# KiCad board LightRail_LPO_1.6T.kicad_pcb (continued)
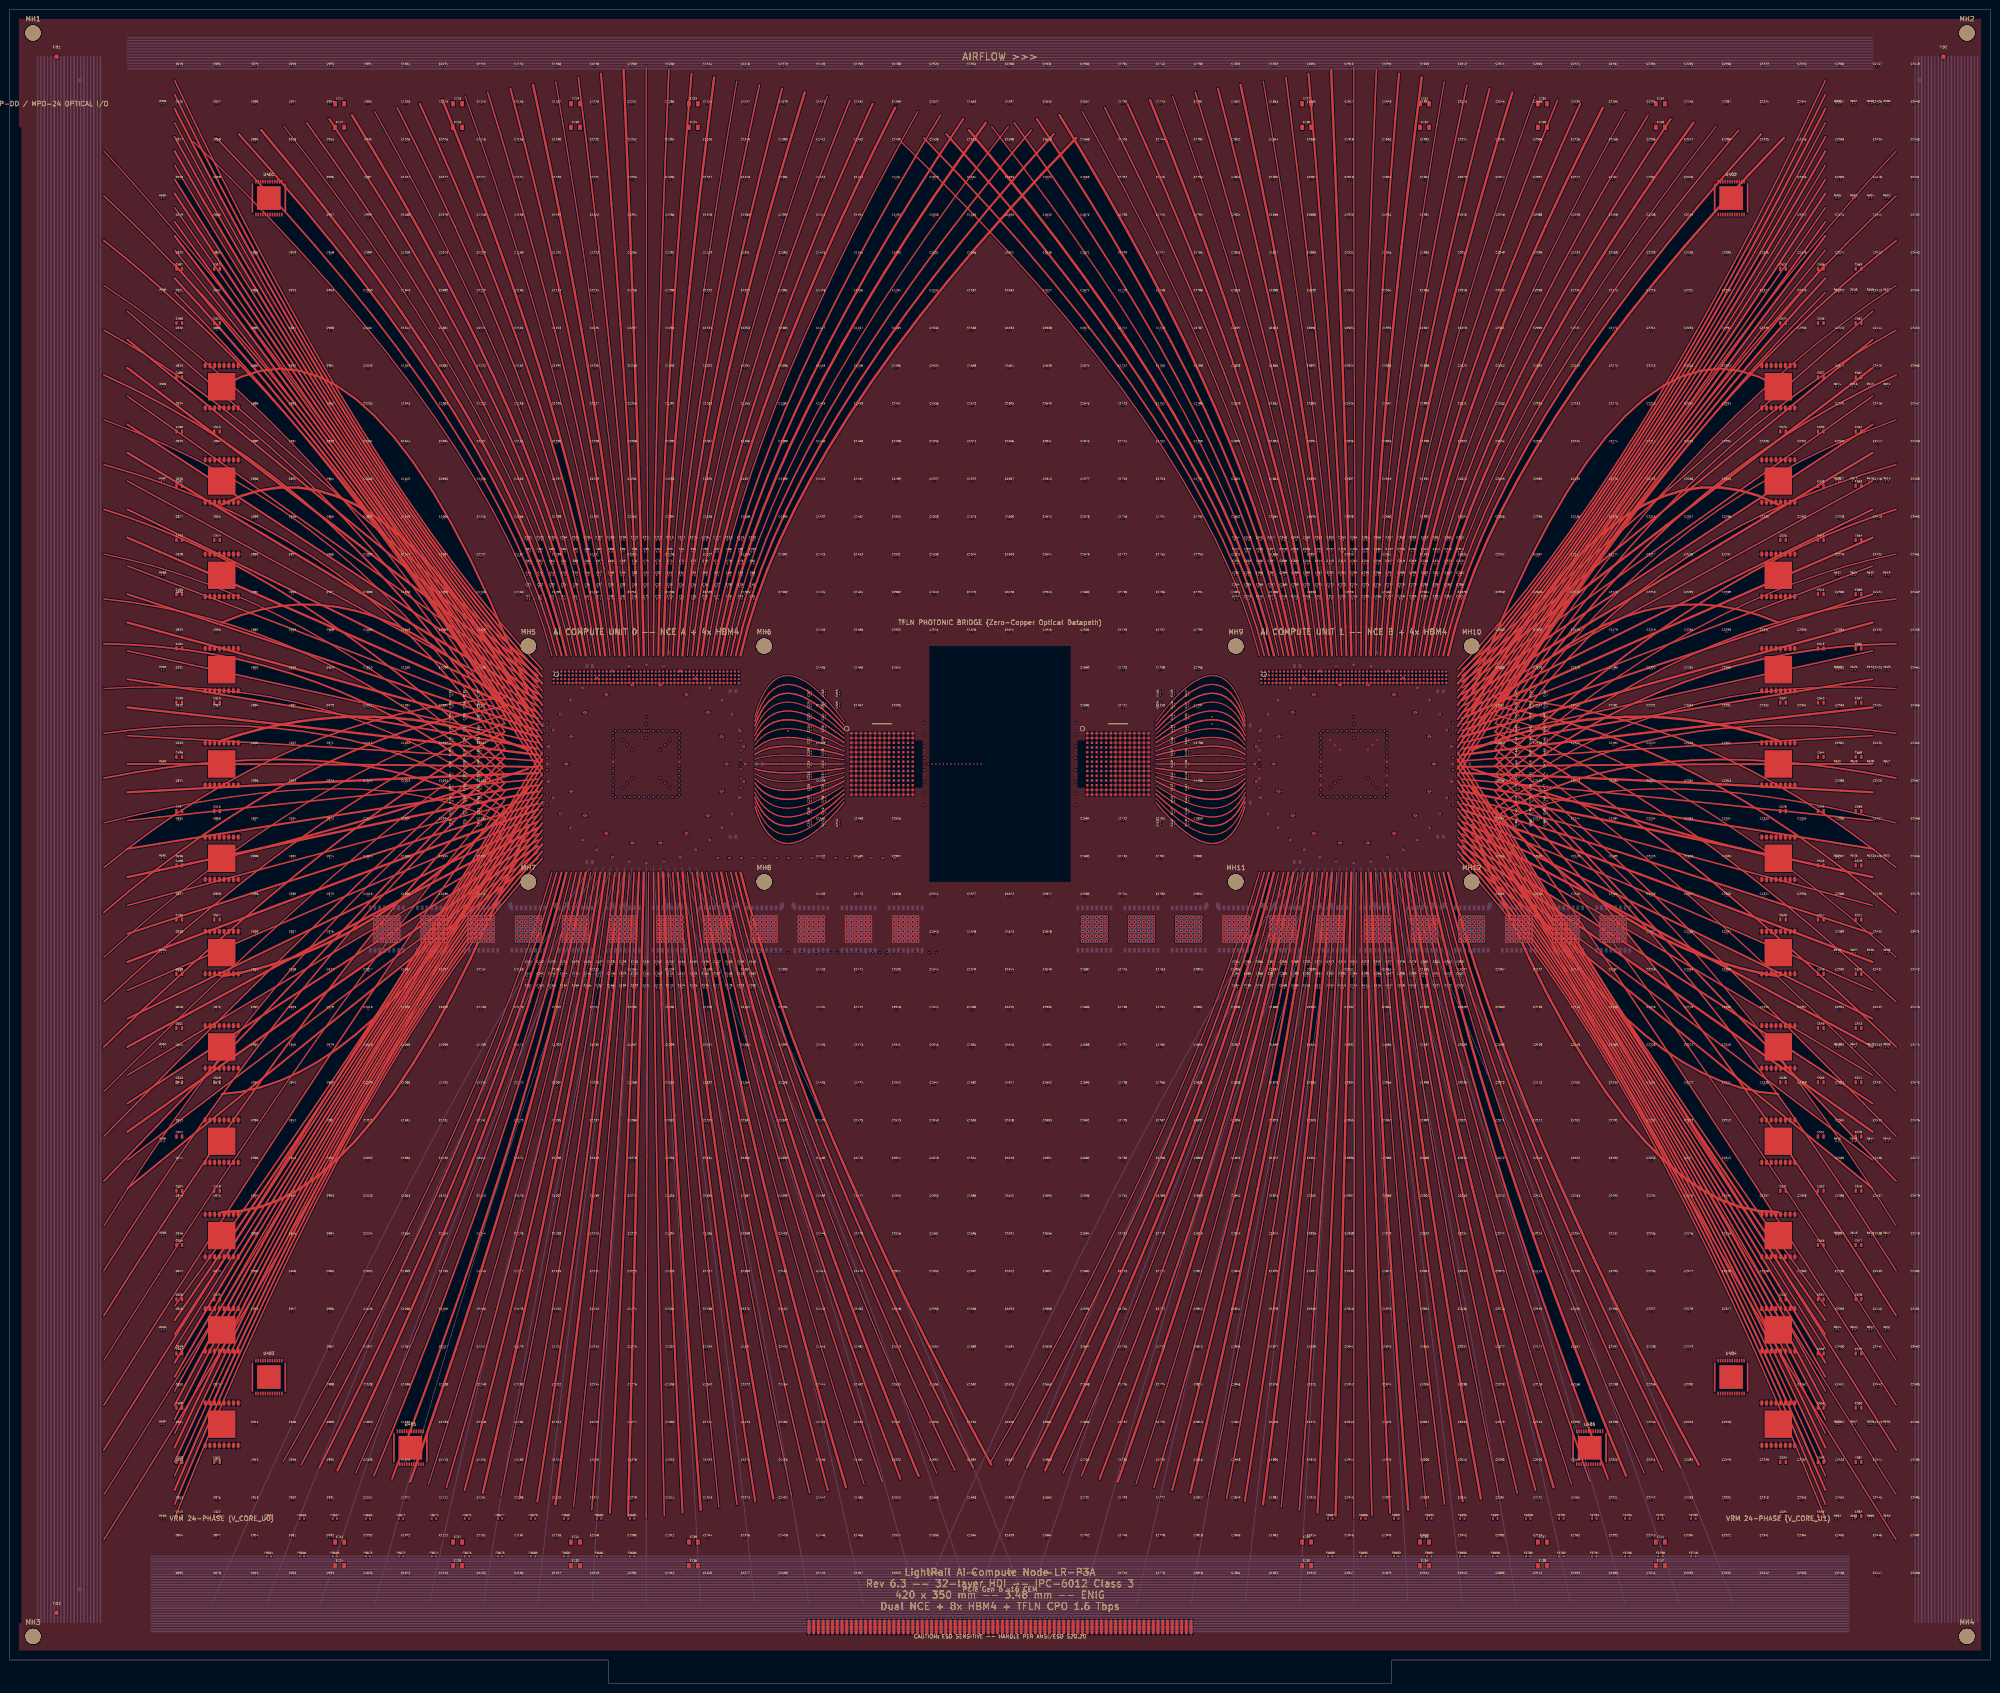
[diagram p0: board, top side]
## Routing (per net, layer and track width the routed paths; a pad name or vN(x,y) marks a point on that pad's centre or on a via; arc(x,y) is an arc through that point) (continued)
150.9,145.16 150.9,145.64 149.7,146.12 149.7,146.6 150.9,147.08 150.9,147.56 150.3,147.8 150.3,152.92 150.9,153.16 150.9,153.64 149.7,154.12 149.7,154.6 150.9,155.08 150.9,155.56 150.3,155.8 150.3,160.92 150.9,161.16 150.9,161.64 149.7,162.12 149.7,162.6 150.9,163.08 150.9,163.56 150.3,163.8 150.3,168.92 150.9,169.16 150.9,169.64 149.7,170.12 149.7,170.6 150.9,171.08 150.9,171.56 150.3,171.8 v1(150.3,175) ; v1(155.3,175) 155.3,171.8 156.2,171.56 156.2,171.08 154.4,170.6 154.4,170.12 156.2,169.64 156.2,169.16 155.3,168.92 155.3,163.8 156.2,163.56 156.2,163.08 154.4,162.6 154.4,162.12 156.2,161.64 156.2,161.16 155.3,160.92 155.3,155.8 156.2,155.56 156.2,155.08 154.4,154.6 154.4,154.12 156.2,153.64 156.2,153.16 155.3,152.92 155.3,147.8 156.2,147.56 156.2,147.08 154.4,146.6 154.4,146.12 156.2,145.64 156.2,145.16 155.3,144.92 155.3,139.8 156.2,139.56 156.2,139.08 154.4,138.6 154.4,138.12 156.2,137.64 156.2,137.16 155.3,136.92 155.3,131.8 156.2,131.56 156.2,131.08 154.4,130.6 154.4,130.12 156.2,129.64 156.2,129.16 155.3,128.92 155.3,123.8 156.2,123.56 156.2,123.08 154.4,122.6 154.4,122.12 156.2,121.64 156.2,121.16 155.3,120.92 155.3,115.8 156.2,115.56 156.2,115.08 154.4,114.6 154.4,114.12 156.2,113.64 156.2,113.16 155.3,112.92 155.3,107.8 156.2,107.56 156.2,107.08 154.4,106.6 154.4,106.12 156.2,105.64 156.2,105.16 155.3,104.92 155.3,99.8 156.2,99.56 156.2,99.08 154.4,98.6 154.4,98.12 156.2,97.64 156.2,97.16 155.3,96.92 155.3,91.8 156.2,91.56 156.2,91.08 154.4,90.6 154.4,90.12 156.2,89.64 156.2,89.16 155.3,88.92 155.3,83.8 156.2,83.56 156.2,83.08 154.4,82.6 154.4,82.12 156.2,81.64 156.2,81.16 155.3,80.92 155.3,75.8 156.2,75.56 156.2,75.08 154.4,74.6 154.4,74.12 156.2,73.64 156.2,73.16 155.3,72.92 155.3,67.8 156.2,67.56 156.2,67.08 154.4,66.6 154.4,66.12 156.2,65.64 156.2,65.16 155.3,64.92 155.3,59.8 156.2,59.56 156.2,59.08 154.4,58.6 154.4,58.12 156.2,57.64 156.2,57.16 155.3,56.92 155.3,51.8 156.2,51.56 156.2,51.08 154.4,50.6 154.4,50.12 156.2,49.64 156.2,49.16 155.3,48.92 155.3,43.8 156.2,43.56 156.2,43.08 154.4,42.6 154.4,42.12 156.2,41.64 156.2,41.16 155.3,40.92 155.3,35.8 156.2,35.56 156.2,35.08 154.4,34.6 154.4,34.12 156.2,33.64 156.2,33.16 155.3,32.92 155.3,27.8 156.2,27.56 156.2,27.08 154.4,26.6 154.4,26.12 156.2,25.64 156.2,25.16 155.3,24.92 155.3,15 ; 160,15 160,24.92 160.6,25.16 160.6,25.64 159.4,26.12 159.4,26.6 160.6,27.08 160.6,27.56 160,27.8 160,32.92 160.6,33.16 160.6,33.64 159.4,34.12 159.4,34.6 160.6,35.08 160.6,35.56 160,35.8 160,40.92 160.6,41.16 160.6,41.64 159.4,42.12 159.4,42.6 160.6,43.08 160.6,43.56 160,43.8 160,48.92 160.6,49.16 160.6,49.64 159.4,50.12 159.4,50.6 160.6,51.08 160.6,51.56 160,51.8 160,56.92 160.6,57.16 160.6,57.64 159.4,58.12 159.4,58.6 160.6,59.08 160.6,59.56 160,59.8 160,64.92 160.6,65.16 160.6,65.64 159.4,66.12 159.4,66.6 160.6,67.08 160.6,67.56 160,67.8 160,72.92 160.6,73.16 160.6,73.64 159.4,74.12 159.4,74.6 160.6,75.08 160.6,75.56 160,75.8 160,80.92 160.6,81.16 160.6,81.64 159.4,82.12 159.4,82.6 160.6,83.08 160.6,83.56 160,83.8 160,88.92 160.6,89.16 160.6,89.64 159.4,90.12 159.4,90.6 160.6,91.08 160.6,91.56 160,91.8 160,96.92 160.6,97.16 160.6,97.64 159.4,98.12 159.4,98.6 160.6,99.08 160.6,99.56 160,99.8 160,104.92 160.6,105.16 160.6,105.64 159.4,106.12 159.4,106.6 160.6,107.08 160.6,107.56 160,107.8 160,112.92 160.6,113.16 160.6,113.64 159.4,114.12 159.4,114.6 160.6,115.08 160.6,115.56 160,115.8 160,120.92 160.6,121.16 160.6,121.64 159.4,122.12 159.4,122.6 160.6,123.08 160.6,123.56 160,123.8 160,128.92 160.6,129.16 160.6,129.64 159.4,130.12 159.4,130.6 160.6,131.08 160.6,131.56 160,131.8 160,136.92 160.6,137.16 160.6,137.64 159.4,138.12 159.4,138.6 160.6,139.08 160.6,139.56 160,139.8 160,144.92 160.6,145.16 160.6,145.64 159.4,146.12 159.4,146.6 160.6,147.08 160.6,147.56 160,147.8 160,152.92 160.6,153.16 160.6,153.64 159.4,154.12 159.4,154.6 160.6,155.08 160.6,155.56 160,155.8 160,160.92 160.6,161.16 160.6,161.64 159.4,162.12 159.4,162.6 160.6,163.08 160.6,163.56 160,163.8 160,168.92 160.6,169.16 160.6,169.64 159.4,170.12 159.4,170.6 160.6,171.08 160.6,171.56 160,171.8 v1(160,175) ; 182.8,15 182.8,24.92 183.55,25.16 183.55,25.64 182.05,26.12 182.05,26.6 183.55,27.08 183.55,27.56 182.8,27.8 182.8,32.92 183.55,33.16 183.55,33.64 182.05,34.12 182.05,34.6 183.55,35.08 183.55,35.56 182.8,35.8 182.8,40.92 183.55,41.16 183.55,41.64 182.05,42.12 182.05,42.6 183.55,43.08 183.55,43.56 182.8,43.8 182.8,48.92 183.55,49.16 183.55,49.64 182.05,50.12 182.05,50.6 183.55,51.08 183.55,51.56 182.8,51.8 182.8,56.92 183.55,57.16 183.55,57.64 182.05,58.12 182.05,58.6 183.55,59.08 183.55,59.56 182.8,59.8 182.8,64.92 183.55,65.16 183.55,65.64 182.05,66.12 182.05,66.6 183.55,67.08 183.55,67.56 182.8,67.8 182.8,72.92 183.55,73.16 183.55,73.64 182.05,74.12 182.05,74.6 183.55,75.08 183.55,75.56 182.8,75.8 182.8,80.92 183.55,81.16 183.55,81.64 182.05,82.12 182.05,82.6 183.55,83.08 183.55,83.56 182.8,83.8 182.8,88.92 183.55,89.16 183.55,89.64 182.05,90.12 182.05,90.6 183.55,91.08 183.55,91.56 182.8,91.8 182.8,96.92 183.55,97.16 183.55,97.64 182.05,98.12 182.05,98.6 183.55,99.08 183.55,99.56 182.8,99.8 182.8,104.92 183.55,105.16 183.55,105.64 182.05,106.12 182.05,106.6 183.55,107.08 183.55,107.56 182.8,107.8 182.8,112.92 183.55,113.16 183.55,113.64 182.05,114.12 182.05,114.6 183.55,115.08 183.55,115.56 182.8,115.8 182.8,120.92 183.55,121.16 183.55,121.64 182.05,122.12 182.05,122.6 183.55,123.08 183.55,123.56 182.8,123.8 182.8,128.92 183.55,129.16 183.55,129.64 182.05,130.12 182.05,130.6 183.55,131.08 183.55,131.56 182.8,131.8 182.8,136.92 183.55,137.16 183.55,137.64 182.05,138.12 182.05,138.6 183.55,139.08 183.55,139.56 182.8,139.8 182.8,144.92 183.55,145.16 183.55,145.64 182.05,146.12 182.05,146.6 183.55,147.08 183.55,147.56 182.8,147.8 182.8,152.92 183.55,153.16 183.55,153.64 182.05,154.12 182.05,154.6 183.55,155.08 183.55,155.56 182.8,155.8 182.8,160.92 183.55,161.16 183.55,161.64 182.05,162.12 182.05,162.6 183.55,163.08 183.55,163.56 182.8,163.8 182.8,168.92 183.55,169.16 183.55,169.64 182.05,170.12 182.05,170.6 183.55,171.08 183.55,171.56 182.8,171.8 v1(182.8,175) ; 177.8,15 177.8,24.92 178.85,25.16 178.85,25.64 176.75,26.12 176.75,26.6 178.85,27.08 178.85,27.56 177.8,27.8 177.8,32.92 178.85,33.16 178.85,33.64 176.75,34.12 176.75,34.6 178.85,35.08 178.85,35.56 177.8,35.8 177.8,40.92 178.85,41.16 178.85,41.64 176.75,42.12 176.75,42.6 178.85,43.08 178.85,43.56 177.8,43.8 177.8,48.92 178.85,49.16 178.85,49.64 176.75,50.12 176.75,50.6 178.85,51.08 178.85,51.56 177.8,51.8 177.8,56.92 178.85,57.16 178.85,57.64 176.75,58.12 176.75,58.6 178.85,59.08 178.85,59.56 177.8,59.8 177.8,64.92 178.85,65.16 178.85,65.64 176.75,66.12 176.75,66.6 178.85,67.08 178.85,67.56 177.8,67.8 177.8,72.92 178.85,73.16 178.85,73.64 176.75,74.12 176.75,74.6 178.85,75.08 178.85,75.56 177.8,75.8 177.8,80.92 178.85,81.16 178.85,81.64 176.75,82.12 176.75,82.6 178.85,83.08 178.85,83.56 177.8,83.8 177.8,88.92 178.85,89.16 178.85,89.64 176.75,90.12 176.75,90.6 178.85,91.08 178.85,91.56 177.8,91.8 177.8,96.92 178.85,97.16 178.85,97.64 176.75,98.12 176.75,98.6 178.85,99.08 178.85,99.56 177.8,99.8 177.8,104.92 178.85,105.16 178.85,105.64 176.75,106.12 176.75,106.6 178.85,107.08 178.85,107.56 177.8,107.8 177.8,112.92 178.85,113.16 178.85,113.64 176.75,114.12 176.75,114.6 178.85,115.08 178.85,115.56 177.8,115.8 177.8,120.92 178.85,121.16 178.85,121.64 176.75,122.12 176.75,122.6 178.85,123.08 178.85,123.56 177.8,123.8 177.8,128.92 178.85,129.16 178.85,129.64 176.75,130.12 176.75,130.6 178.85,131.08 178.85,131.56 177.8,131.8 177.8,136.92 178.85,137.16 178.85,137.64 176.75,138.12 176.75,138.6 178.85,139.08 178.85,139.56 177.8,139.8 177.8,144.92 178.85,145.16 178.85,145.64 176.75,146.12 176.75,146.6 178.85,147.08 178.85,147.56 177.8,147.8 177.8,152.92 178.85,153.16 178.85,153.64 176.75,154.12 176.75,154.6 178.85,155.08 178.85,155.56 177.8,155.8 177.8,160.92 178.85,161.16 178.85,161.64 176.75,162.12 176.75,162.6 178.85,163.08 178.85,163.56 177.8,163.8 177.8,168.92 178.85,169.16 178.85,169.64 176.75,170.12 176.75,170.6 178.85,171.08 178.85,171.56 177.8,171.8 v1(177.8,175) ; v1(150,175) 150,171.8 150.6,171.56 150.6,171.08 149.4,170.6 149.4,170.12 150.6,169.64 150.6,169.16 150,168.92 150,163.8 150.6,163.56 150.6,163.08 149.4,162.6 149.4,162.12 150.6,161.64 150.6,161.16 150,160.92 150,155.8 150.6,155.56 150.6,155.08 149.4,154.6 149.4,154.12 150.6,153.64 150.6,153.16 150,152.92 150,147.8 150.6,147.56 150.6,147.08 149.4,146.6 149.4,146.12 150.6,145.64 150.6,145.16 150,144.92 150,139.8 150.6,139.56 150.6,139.08 149.4,138.6 149.4,138.12 150.6,137.64 150.6,137.16 150,136.92 150,131.8 150.6,131.56 150.6,131.08 149.4,130.6 149.4,130.12 150.6,129.64 150.6,129.16 150,128.92 150,123.8 150.6,123.56 150.6,123.08 149.4,122.6 149.4,122.12 150.6,121.64 150.6,121.16 150,120.92 150,115.8 150.6,115.56 150.6,115.08 149.4,114.6 149.4,114.12 150.6,113.64 150.6,113.16 150,112.92 150,107.8 150.6,107.56 150.6,107.08 149.4,106.6 149.4,106.12 150.6,105.64 150.6,105.16 150,104.92 150,99.8 150.6,99.56 150.6,99.08 149.4,98.6 149.4,98.12 150.6,97.64 150.6,97.16 150,96.92 150,91.8 150.6,91.56 150.6,91.08 149.4,90.6 149.4,90.12 150.6,89.64 150.6,89.16 150,88.92 150,83.8 150.6,83.56 150.6,83.08 149.4,82.6 149.4,82.12 150.6,81.64 150.6,81.16 150,80.92 150,75.8 150.6,75.56 150.6,75.08 149.4,74.6 149.4,74.12 150.6,73.64 150.6,73.16 150,72.92 150,67.8 150.6,67.56 150.6,67.08 149.4,66.6 149.4,66.12 150.6,65.64 150.6,65.16 150,64.92 150,59.8 150.6,59.56 150.6,59.08 149.4,58.6 149.4,58.12 150.6,57.64 150.6,57.16 150,56.92 150,51.8 150.6,51.56 150.6,51.08 149.4,50.6 149.4,50.12 150.6,49.64 150.6,49.16 150,48.92 150,43.8 150.6,43.56 150.6,43.08 149.4,42.6 149.4,42.12 150.6,41.64 150.6,41.16 150,40.92 150,35.8 150.6,35.56 150.6,35.08 149.4,34.6 149.4,34.12 150.6,33.64 150.6,33.16 150,32.92 150,27.8 150.6,27.56 150.6,27.08 149.4,26.6 149.4,26.12 150.6,25.64 150.6,25.16 150,24.92 150,15 ; v1(165.3,175) 165.3,171.8 166.2,171.56 166.2,171.08 164.4,170.6 164.4,170.12 166.2,169.64 166.2,169.16 165.3,168.92 165.3,163.8 166.2,163.56 166.2,163.08 164.4,162.6 164.4,162.12 166.2,161.64 166.2,161.16 165.3,160.92 165.3,155.8 166.2,155.56 166.2,155.08 164.4,154.6 164.4,154.12 166.2,153.64 166.2,153.16 165.3,152.92 165.3,147.8 166.2,147.56 166.2,147.08 164.4,146.6 164.4,146.12 166.2,145.64 166.2,145.16 165.3,144.92 165.3,139.8 166.2,139.56 166.2,139.08 164.4,138.6 164.4,138.12 166.2,137.64 166.2,137.16 165.3,136.92 165.3,131.8 166.2,131.56 166.2,131.08 164.4,130.6 164.4,130.12 166.2,129.64 166.2,129.16 165.3,128.92 165.3,123.8 166.2,123.56 166.2,123.08 164.4,122.6 164.4,122.12 166.2,121.64 166.2,121.16 165.3,120.92 165.3,115.8 166.2,115.56 166.2,115.08 164.4,114.6 164.4,114.12 166.2,113.64 166.2,113.16 165.3,112.92 165.3,107.8 166.2,107.56 166.2,107.08 164.4,106.6 164.4,106.12 166.2,105.64 166.2,105.16 165.3,104.92 165.3,99.8 166.2,99.56 166.2,99.08 164.4,98.6 164.4,98.12 166.2,97.64 166.2,97.16 165.3,96.92 165.3,91.8 166.2,91.56 166.2,91.08 164.4,90.6 164.4,90.12 166.2,89.64 166.2,89.16 165.3,88.92 165.3,83.8 166.2,83.56 166.2,83.08 164.4,82.6 164.4,82.12 166.2,81.64 166.2,81.16 165.3,80.92 165.3,75.8 166.2,75.56 166.2,75.08 164.4,74.6 164.4,74.12 166.2,73.64 166.2,73.16 165.3,72.92 165.3,67.8 166.2,67.56 166.2,67.08 164.4,66.6 164.4,66.12 166.2,65.64 166.2,65.16 165.3,64.92 165.3,59.8 166.2,59.56 166.2,59.08 164.4,58.6 164.4,58.12 166.2,57.64 166.2,57.16 165.3,56.92 165.3,51.8 166.2,51.56 166.2,51.08 164.4,50.6 164.4,50.12 166.2,49.64 166.2,49.16 165.3,48.92 165.3,43.8 166.2,43.56 166.2,43.08 164.4,42.6 164.4,42.12 166.2,41.64 166.2,41.16 165.3,40.92 165.3,35.8 166.2,35.56 166.2,35.08 164.4,34.6 164.4,34.12 166.2,33.64 166.2,33.16 165.3,32.92 165.3,27.8 166.2,27.56 166.2,27.08 164.4,26.6 164.4,26.12 166.2,25.64 166.2,25.16 165.3,24.92 165.3,15 ; 180.3,15 180.3,24.92 180.9,25.16 180.9,25.64 179.7,26.12 179.7,26.6 180.9,27.08 180.9,27.56 180.3,27.8 180.3,32.92 180.9,33.16 180.9,33.64 179.7,34.12 179.7,34.6 180.9,35.08 180.9,35.56 180.3,35.8 180.3,40.92 180.9,41.16 180.9,41.64 179.7,42.12 179.7,42.6 180.9,43.08 180.9,43.56 180.3,43.8 180.3,48.92 180.9,49.16 180.9,49.64 179.7,50.12 179.7,50.6 180.9,51.08 180.9,51.56 180.3,51.8 180.3,56.92 180.9,57.16 180.9,57.64 179.7,58.12 179.7,58.6 180.9,59.08 180.9,59.56 180.3,59.8 180.3,64.92 180.9,65.16 180.9,65.64 179.7,66.12 179.7,66.6 180.9,67.08 180.9,67.56 180.3,67.8 180.3,72.92 180.9,73.16 180.9,73.64 179.7,74.12 179.7,74.6 180.9,75.08 180.9,75.56 180.3,75.8 180.3,80.92 180.9,81.16 180.9,81.64 179.7,82.12 179.7,82.6 180.9,83.08 180.9,83.56 180.3,83.8 180.3,88.92 180.9,89.16 180.9,89.64 179.7,90.12 179.7,90.6 180.9,91.08 180.9,91.56 180.3,91.8 180.3,96.92 180.9,97.16 180.9,97.64 179.7,98.12 179.7,98.6 180.9,99.08 180.9,99.56 180.3,99.8 180.3,104.92 180.9,105.16 180.9,105.64 179.7,106.12 179.7,106.6 180.9,107.08 180.9,107.56 180.3,107.8 180.3,112.92 180.9,113.16 180.9,113.64 179.7,114.12 179.7,114.6 180.9,115.08 180.9,115.56 180.3,115.8 180.3,120.92 180.9,121.16 180.9,121.64 179.7,122.12 179.7,122.6 180.9,123.08 180.9,123.56 180.3,123.8 180.3,128.92 180.9,129.16 180.9,129.64 179.7,130.12 179.7,130.6 180.9,131.08 180.9,131.56 180.3,131.8 180.3,136.92 180.9,137.16 180.9,137.64 179.7,138.12 179.7,138.6 180.9,139.08 180.9,139.56 180.3,139.8 180.3,144.92 180.9,145.16 180.9,145.64 179.7,146.12 179.7,146.6 180.9,147.08 180.9,147.56 180.3,147.8 180.3,152.92 180.9,153.16 180.9,153.64 179.7,154.12 179.7,154.6 180.9,155.08 180.9,155.56 180.3,155.8 180.3,160.92 180.9,161.16 180.9,161.64 179.7,162.12 179.7,162.6 180.9,163.08 180.9,163.56 180.3,163.8 180.3,168.92 180.9,169.16 180.9,169.64 179.7,170.12 179.7,170.6 180.9,171.08 180.9,171.56 180.3,171.8 v1(180.3,175) ; 172.8,15 172.8,24.92 173.55,25.16 173.55,25.64 172.05,26.12 172.05,26.6 173.55,27.08 173.55,27.56 172.8,27.8 172.8,32.92 173.55,33.16 173.55,33.64 172.05,34.12 172.05,34.6 173.55,35.08 173.55,35.56 172.8,35.8 172.8,40.92 173.55,41.16 173.55,41.64 172.05,42.12 172.05,42.6 173.55,43.08 173.55,43.56 172.8,43.8 172.8,48.92 173.55,49.16 173.55,49.64 172.05,50.12 172.05,50.6 173.55,51.08 173.55,51.56 172.8,51.8 172.8,56.92 173.55,57.16 173.55,57.64 172.05,58.12 172.05,58.6 173.55,59.08 173.55,59.56 172.8,59.8 172.8,64.92 173.55,65.16 173.55,65.64 172.05,66.12 172.05,66.6 173.55,67.08 173.55,67.56 172.8,67.8 172.8,72.92 173.55,73.16 173.55,73.64 172.05,74.12 172.05,74.6 173.55,75.08 173.55,75.56 172.8,75.8 172.8,80.92 173.55,81.16 173.55,81.64 172.05,82.12 172.05,82.6 173.55,83.08 173.55,83.56 172.8,83.8 172.8,88.92 173.55,89.16 173.55,89.64 172.05,90.12 172.05,90.6 173.55,91.08 173.55,91.56 172.8,91.8 172.8,96.92 173.55,97.16 173.55,97.64 172.05,98.12 172.05,98.6 173.55,99.08 173.55,99.56 172.8,99.8 172.8,104.92 173.55,105.16 173.55,105.64 172.05,106.12 172.05,106.6 173.55,107.08 173.55,107.56 172.8,107.8 172.8,112.92 173.55,113.16 173.55,113.64 172.05,114.12 172.05,114.6 173.55,115.08 173.55,115.56 172.8,115.8 172.8,120.92 173.55,121.16 173.55,121.64 172.05,122.12 172.05,122.6 173.55,123.08 173.55,123.56 172.8,123.8 172.8,128.92 173.55,129.16 173.55,129.64 172.05,130.12 172.05,130.6 173.55,131.08 173.55,131.56 172.8,131.8 172.8,136.92 173.55,137.16 173.55,137.64 172.05,138.12 172.05,138.6 173.55,139.08 173.55,139.56 172.8,139.8 172.8,144.92 173.55,145.16 173.55,145.64 172.05,146.12 172.05,146.6 173.55,147.08 173.55,147.56 172.8,147.8 172.8,152.92 173.55,153.16 173.55,153.64 172.05,154.12 172.05,154.6 173.55,155.08 173.55,155.56 172.8,155.8 172.8,160.92 173.55,161.16 173.55,161.64 172.05,162.12 172.05,162.6 173.55,163.08 173.55,163.56 172.8,163.8 172.8,168.92 173.55,169.16 173.55,169.64 172.05,170.12 172.05,170.6 173.55,171.08 173.55,171.56 172.8,171.8 v1(172.8,175) ; v1(167.5,175) 167.5,171.8 168.55,171.56 168.55,171.08 166.45,170.6 166.45,170.12 168.55,169.64 168.55,169.16 167.5,168.92 167.5,163.8 168.55,163.56 168.55,163.08 166.45,162.6 166.45,162.12 168.55,161.64 168.55,161.16 167.5,160.92 167.5,155.8 168.55,155.56 168.55,155.08 166.45,154.6 166.45,154.12 168.55,153.64 168.55,153.16 167.5,152.92 167.5,147.8 168.55,147.56 168.55,147.08 166.45,146.6 166.45,146.12 168.55,145.64 168.55,145.16 167.5,144.92 167.5,139.8 168.55,139.56 168.55,139.08 166.45,138.6 166.45,138.12 168.55,137.64 168.55,137.16 167.5,136.92 167.5,131.8 168.55,131.56 168.55,131.08 166.45,130.6 166.45,130.12 168.55,129.64 168.55,129.16 167.5,128.92 167.5,123.8 168.55,123.56 168.55,123.08 166.45,122.6 166.45,122.12 168.55,121.64 168.55,121.16 167.5,120.92 167.5,115.8 168.55,115.56 168.55,115.08 166.45,114.6 166.45,114.12 168.55,113.64 168.55,113.16 167.5,112.92 167.5,107.8 168.55,107.56 168.55,107.08 166.45,106.6 166.45,106.12 168.55,105.64 168.55,105.16 167.5,104.92 167.5,99.8 168.55,99.56 168.55,99.08 166.45,98.6 166.45,98.12 168.55,97.64 168.55,97.16 167.5,96.92 167.5,91.8 168.55,91.56 168.55,91.08 166.45,90.6 166.45,90.12 168.55,89.64 168.55,89.16 167.5,88.92 167.5,83.8 168.55,83.56 168.55,83.08 166.45,82.6 166.45,82.12 168.55,81.64 168.55,81.16 167.5,80.92 167.5,75.8 168.55,75.56 168.55,75.08 166.45,74.6 166.45,74.12 168.55,73.64 168.55,73.16 167.5,72.92 167.5,67.8 168.55,67.56 168.55,67.08 166.45,66.6 166.45,66.12 168.55,65.64 168.55,65.16 167.5,64.92 167.5,59.8 168.55,59.56 168.55,59.08 166.45,58.6 166.45,58.12 168.55,57.64 168.55,57.16 167.5,56.92 167.5,51.8 168.55,51.56 168.55,51.08 166.45,50.6 166.45,50.12 168.55,49.64 168.55,49.16 167.5,48.92 167.5,43.8 168.55,43.56 168.55,43.08 166.45,42.6 166.45,42.12 168.55,41.64 168.55,41.16 167.5,40.92 167.5,35.8 168.55,35.56 168.55,35.08 166.45,34.6 166.45,34.12 168.55,33.64 168.55,33.16 167.5,32.92 167.5,27.8 168.55,27.56 168.55,27.08 166.45,26.6 166.45,26.12 168.55,25.64 168.55,25.16 167.5,24.92 167.5,15 ; v1(180,175) 180,171.8 180.6,171.56 180.6,171.08 179.4,170.6 179.4,170.12 180.6,169.64 180.6,169.16 180,168.92 180,163.8 180.6,163.56 180.6,163.08 179.4,162.6 179.4,162.12 180.6,161.64 180.6,161.16 180,160.92 180,155.8 180.6,155.56 180.6,155.08 179.4,154.6 179.4,154.12 180.6,153.64 180.6,153.16 180,152.92 180,147.8 180.6,147.56 180.6,147.08 179.4,146.6 179.4,146.12 180.6,145.64 180.6,145.16 180,144.92 180,139.8 180.6,139.56 180.6,139.08 179.4,138.6 179.4,138.12 180.6,137.64 180.6,137.16 180,136.92 180,131.8 180.6,131.56 180.6,131.08 179.4,130.6 179.4,130.12 180.6,129.64 180.6,129.16 180,128.92 180,123.8 180.6,123.56 180.6,123.08 179.4,122.6 179.4,122.12 180.6,121.64 180.6,121.16 180,120.92 180,115.8 180.6,115.56 180.6,115.08 179.4,114.6 179.4,114.12 180.6,113.64 180.6,113.16 180,112.92 180,107.8 180.6,107.56 180.6,107.08 179.4,106.6 179.4,106.12 180.6,105.64 180.6,105.16 180,104.92 180,99.8 180.6,99.56 180.6,99.08 179.4,98.6 179.4,98.12 180.6,97.64 180.6,97.16 180,96.92 180,91.8 180.6,91.56 180.6,91.08 179.4,90.6 179.4,90.12 180.6,89.64 180.6,89.16 180,88.92 180,83.8 180.6,83.56 180.6,83.08 179.4,82.6 179.4,82.12 180.6,81.64 180.6,81.16 180,80.92 180,75.8 180.6,75.56 180.6,75.08 179.4,74.6 179.4,74.12 180.6,73.64 180.6,73.16 180,72.92 180,67.8 180.6,67.56 180.6,67.08 179.4,66.6 179.4,66.12 180.6,65.64 180.6,65.16 180,64.92 180,59.8 180.6,59.56 180.6,59.08 179.4,58.6 179.4,58.12 180.6,57.64 180.6,57.16 180,56.92 180,51.8 180.6,51.56 180.6,51.08 179.4,50.6 179.4,50.12 180.6,49.64 180.6,49.16 180,48.92 180,43.8 180.6,43.56 180.6,43.08 179.4,42.6 179.4,42.12 180.6,41.64 180.6,41.16 180,40.92 180,35.8 180.6,35.56 180.6,35.08 179.4,34.6 179.4,34.12 180.6,33.64 180.6,33.16 180,32.92 180,27.8 180.6,27.56 180.6,27.08 179.4,26.6 179.4,26.12 180.6,25.64 180.6,25.16 180,24.92 180,15 ; 152.5,15 152.5,24.92 153.25,25.16 153.25,25.64 151.75,26.12 151.75,26.6 153.25,27.08 153.25,27.56 152.5,27.8 152.5,32.92 153.25,33.16 153.25,33.64 151.75,34.12 151.75,34.6 153.25,35.08 153.25,35.56 152.5,35.8 152.5,40.92 153.25,41.16 153.25,41.64 151.75,42.12 151.75,42.6 153.25,43.08 153.25,43.56 152.5,43.8 152.5,48.92 153.25,49.16 153.25,49.64 151.75,50.12 151.75,50.6 153.25,51.08 153.25,51.56 152.5,51.8 152.5,56.92 153.25,57.16 153.25,57.64 151.75,58.12 151.75,58.6 153.25,59.08 153.25,59.56 152.5,59.8 152.5,64.92 153.25,65.16 153.25,65.64 151.75,66.12 151.75,66.6 153.25,67.08 153.25,67.56 152.5,67.8 152.5,72.92 153.25,73.16 153.25,73.64 151.75,74.12 151.75,74.6 153.25,75.08 153.25,75.56 152.5,75.8 152.5,80.92 153.25,81.16 153.25,81.64 151.75,82.12 151.75,82.6 153.25,83.08 153.25,83.56 152.5,83.8 152.5,88.92 153.25,89.16 153.25,89.64 151.75,90.12 151.75,90.6 153.25,91.08 153.25,91.56 152.5,91.8 152.5,96.92 153.25,97.16 153.25,97.64 151.75,98.12 151.75,98.6 153.25,99.08 153.25,99.56 152.5,99.8 152.5,104.92 153.25,105.16 153.25,105.64 151.75,106.12 151.75,106.6 153.25,107.08 153.25,107.56 152.5,107.8 152.5,112.92 153.25,113.16 153.25,113.64 151.75,114.12 151.75,114.6 153.25,115.08 153.25,115.56 152.5,115.8 152.5,120.92 153.25,121.16 153.25,121.64 151.75,122.12 151.75,122.6 153.25,123.08 153.25,123.56 152.5,123.8 152.5,128.92 153.25,129.16 153.25,129.64 151.75,130.12 151.75,130.6 153.25,131.08 153.25,131.56 152.5,131.8 152.5,136.92 153.25,137.16 153.25,137.64 151.75,138.12 151.75,138.6 153.25,139.08 153.25,139.56 152.5,139.8 152.5,144.92 153.25,145.16 153.25,145.64 151.75,146.12 151.75,146.6 153.25,147.08 153.25,147.56 152.5,147.8 152.5,152.92 153.25,153.16 153.25,153.64 151.75,154.12 151.75,154.6 153.25,155.08 153.25,155.56 152.5,155.8 152.5,160.92 153.25,161.16 153.25,161.64 151.75,162.12 151.75,162.6 153.25,163.08 153.25,163.56 152.5,163.8 152.5,168.92 153.25,169.16 153.25,169.64 151.75,170.12 151.75,170.6 153.25,171.08 153.25,171.56 152.5,171.8 v1(152.5,175)
  In28.Cu w0.09: 244,194 v2(265,194) ; 176,202 174.88,202 174.6,202.4 174.32,202.4 173.76,201.6 173.48,201.6 173.2,202 167.88,202 167.6,202.4 167.32,202.4 166.76,201.6 166.48,201.6 166.2,202 160.88,202 160.6,202.4 160.32,202.4 159.76,201.6 159.48,201.6 159.2,202 v2(155,202) ; v2(155,194) 159.2,194 159.48,193.5 159.76,193.5 160.32,194.5 160.6,194.5 160.88,194 166.2,194 166.48,193.5 166.76,193.5 167.32,194.5 167.6,194.5 167.88,194 173.2,194 173.48,193.5 173.76,193.5 174.32,194.5 174.6,194.5 174.88,194 176,194 ; 176,191.82 174.88,191.82 174.6,192.42 174.32,192.42 173.76,191.22 173.48,191.22 173.2,191.82 167.88,191.82 167.6,192.42 167.32,192.42 166.76,191.22 166.48,191.22 166.2,191.82 160.88,191.82 160.6,192.42 160.32,192.42 159.76,191.22 159.48,191.22 159.2,191.82 v2(155,191.82) ; 176,187.82 174.88,187.82 174.6,188.32 174.32,188.32 173.76,187.32 173.48,187.32 173.2,187.82 167.88,187.82 167.6,188.32 167.32,188.32 166.76,187.32 166.48,187.32 166.2,187.82 160.88,187.82 160.6,188.32 160.32,188.32 159.76,187.32 159.48,187.32 159.2,187.82 v2(155,187.82) ; v2(155,201.82) 159.2,201.82 159.48,201.42 159.76,201.42 160.32,202.22 160.6,202.22 160.88,201.82 166.2,201.82 166.48,201.42 166.76,201.42 167.32,202.22 167.6,202.22 167.88,201.82 173.2,201.82 173.48,201.42 173.76,201.42 174.32,202.22 174.6,202.22 174.88,201.82 176,201.82 ; 244,190 v2(265,190) ; 244,187.82 v2(265,187.82) ; v2(155,189.82) 159.2,189.82 159.48,189.42 159.76,189.42 160.32,190.22 160.6,190.22 160.88,189.82 166.2,189.82 166.48,189.42 166.76,189.42 167.32,190.22 167.6,190.22 167.88,189.82 173.2,189.82 173.48,189.42 173.76,189.42 174.32,190.22 174.6,190.22 174.88,189.82 176,189.82 ; 176,196 174.88,196 174.6,196.4 174.32,196.4 173.76,195.6 173.48,195.6 173.2,196 167.88,196 167.6,196.4 167.32,196.4 166.76,195.6 166.48,195.6 166.2,196 160.88,196 160.6,196.4 160.32,196.4 159.76,195.6 159.48,195.6 159.2,196 v2(155,196) ; v2(155,193.82) 159.2,193.82 159.48,193.32 159.76,193.32 160.32,194.32 160.6,194.32 160.88,193.82 166.2,193.82 166.48,193.32 166.76,193.32 167.32,194.32 167.6,194.32 167.88,193.82 173.2,193.82 173.48,193.32 173.76,193.32 174.32,194.32 174.6,194.32 174.88,193.82 176,193.82 ; 176,190 174.88,190 174.6,190.4 174.32,190.4 173.76,189.6 173.48,189.6 173.2,190 167.88,190 167.6,190.4 167.32,190.4 166.76,189.6 166.48,189.6 166.2,190 160.88,190 160.6,190.4 160.32,190.4 159.76,189.6 159.48,189.6 159.2,190 v2(155,190) ; 176,199.82 174.88,199.82 174.6,200.32 174.32,200.32 173.76,199.32 173.48,199.32 173.2,199.82 167.88,199.82 167.6,200.32 167.32,200.32 166.76,199.32 166.48,199.32 166.2,199.82 160.88,199.82 160.6,200.32 160.32,200.32 159.76,199.32 159.48,199.32 159.2,199.82 v2(155,199.82) ; v2(155,198) 159.2,198 159.48,197.4 159.76,197.4 160.32,198.6 160.6,198.6 160.88,198 166.2,198 166.48,197.4 166.76,197.4 167.32,198.6 167.6,198.6 167.88,198 173.2,198 173.48,197.4 173.76,197.4 174.32,198.6 174.6,198.6 174.88,198 176,198 ; 244,201.82 v2(265,201.82) ; 244,188 v2(265,188) ; 244,193.82 v2(265,193.82) ; 176,197.82 174.88,197.82 174.6,198.42 174.32,198.42 173.76,197.22 173.48,197.22 173.2,197.82 167.88,197.82 167.6,198.42 167.32,198.42 166.76,197.22 166.48,197.22 166.2,197.82 160.88,197.82 160.6,198.42 160.32,198.42 159.76,197.22 159.48,197.22 159.2,197.82 v2(155,197.82) ; v2(155,195.82) 159.2,195.82 159.48,195.42 159.76,195.42 160.32,196.22 160.6,196.22 160.88,195.82 166.2,195.82 166.48,195.42 166.76,195.42 167.32,196.22 167.6,196.22 167.88,195.82 173.2,195.82 173.48,195.42 173.76,195.42 174.32,196.22 174.6,196.22 174.88,195.82 176,195.82 ; 244,199.82 v2(265,199.82) ; 244,189.82 v2(265,189.82) ; 244,195.82 v2(265,195.82) ; 244,196 v2(265,196) ; 176,200 174.88,200 174.6,200.5 174.32,200.5 173.76,199.5 173.48,199.5 173.2,200 167.88,200 167.6,200.5 167.32,200.5 166.76,199.5 166.48,199.5 166.2,200 160.88,200 160.6,200.5 160.32,200.5 159.76,199.5 159.48,199.5 159.2,200 v2(155,200) ; v2(155,192) 159.2,192 159.48,191.4 159.76,191.4 160.32,192.6 160.6,192.6 160.88,192 166.2,192 166.48,191.4 166.76,191.4 167.32,192.6 167.6,192.6 167.88,192 173.2,192 173.48,191.4 173.76,191.4 174.32,192.6 174.6,192.6 174.88,192 176,192 ; v2(155,188) 159.2,188 159.48,187.5 159.76,187.5 160.32,188.5 160.6,188.5 160.88,188 166.2,188 166.48,187.5 166.76,187.5 167.32,188.5 167.6,188.5 167.88,188 173.2,188 173.48,187.5 173.76,187.5 174.32,188.5 174.6,188.5 174.88,188 176,188 ; 244,200 v2(265,200) ; 244,202 v2(265,202)
  In29.Cu w0.1: 305,202 304.5,202.5 303.5,202.5 302.5,201.5 301.5,201.5 300.5,202.5 299.5,202.5 298.5,201.5 297.5,201.5 297,202 ; 305,200.5 304.5,201.1 303.5,201.1 302.5,199.9 301.5,199.9 300.5,201.1 299.5,201.1 298.5,199.9 297.5,199.9 297,200.5 ; v2(255,203.5) v2(285,203.5) ; 267,203.35 267.5,202.95 268.5,202.95 269.5,203.75 270.5,203.75 271.5,202.95 272.5,202.95 273.5,203.75 274.5,203.75 275,203.35 ; 275,205 274.5,205.3 273.5,205.3 272.5,204.7 271.5,204.7 270.5,205.3 269.5,205.3 268.5,204.7 267.5,204.7 267,205 ; v2(285,200.5) v2(315,200.5) ; 275,204.85 274.5,205.15 273.5,205.15 272.5,204.55 271.5,204.55 270.5,205.15 269.5,205.15 268.5,204.55 267.5,204.55 267,204.85 ; 275,203.5 274.5,203.9 273.5,203.9 272.5,203.1 271.5,203.1 270.5,203.9 269.5,203.9 268.5,203.1 267.5,203.1 267,203.5 ; 305,200.35 304.5,200.95 303.5,200.95 302.5,199.75 301.5,199.75 300.5,200.95 299.5,200.95 298.5,199.75 297.5,199.75 297,200.35 ; 255,204.85 285,204.85 ; 255,203.35 285,203.35 ; v2(285,202) v2(315,202) ; 297,201.85 297.5,201.35 298.5,201.35 299.5,202.35 300.5,202.35 301.5,201.35 302.5,201.35 303.5,202.35 304.5,202.35 305,201.85 ; 285,201.85 315,201.85 ; v2(255,205) v2(285,205) ; 285,200.35 315,200.35
  Bottom w0.2: 239,17 242.33,32.29 245.67,47.17 249,61.62 252.33,75.67 255.67,89.29 259,102.5 262.33,115.29 265.67,127.67 269,139.62 272.33,151.17 275.67,162.29 279,173 ; 319.5,17 317,32.29 314.5,47.17 312,61.62 309.5,75.67 307,89.29 304.5,102.5 302,115.29 299.5,127.67 297,139.62 294.5,151.17 292,162.29 289.5,173 ; 181,17 177.67,32.29 174.33,47.17 171,61.62 167.67,75.67 164.33,89.29 161,102.5 157.67,115.29 154.33,127.67 151,139.62 147.67,151.17 144.33,162.29 141,173 ; 283.5,173 282.67,162.29 281.83,151.17 281,139.62 280.17,127.67 279.33,115.29 278.5,102.5 277.67,89.29 276.83,75.67 276,61.62 275.17,47.17 274.33,32.29 273.5,17 ; 66,17 71,32.29 76,47.17 81,61.62 86,75.67 91,89.29 96,102.5 101,115.29 106,127.67 111,139.62 116,151.17 121,162.29 126,173 ; 192.5,17 188.33,32.29 184.17,47.17 180,61.62 175.83,75.67 171.67,89.29 167.5,102.5 163.33,115.29 159.17,127.67 155,139.62 150.83,151.17 146.67,162.29 142.5,173 ; 146.5,17 145.67,32.29 144.83,47.17 144,61.62 143.17,75.67 142.33,89.29 141.5,102.5 140.67,115.29 139.83,127.67 139,139.62 138.17,151.17 137.33,162.29 136.5,173 ; 285,17 285,173 ; 123.5,17 124.33,32.29 125.17,47.17 126,61.62 126.83,75.67 127.67,89.29 128.5,102.5 129.33,115.29 130.17,127.67 131,139.62 131.83,151.17 132.67,162.29 133.5,173 ; 130.5,173 128,162.29 125.5,151.17 123,139.62 120.5,127.67 118,115.29 115.5,102.5 113,89.29 110.5,75.67 108,61.62 105.5,47.17 103,32.29 100.5,17 ; 250.5,17 253,32.29 255.5,47.17 258,61.62 260.5,75.67 263,89.29 265.5,102.5 268,115.29 270.5,127.67 273,139.62 275.5,151.17 278,162.29 280.5,173 ; 354,17 349,32.29 344,47.17 339,61.62 334,75.67 329,89.29 324,102.5 319,115.29 314,127.67 309,139.62 304,151.17 299,162.29 294,173 ; 288,173 289.67,162.29 291.33,151.17 293,139.62 294.67,127.67 296.33,115.29 298,102.5 299.67,89.29 301.33,75.67 303,61.62 304.67,47.17 306.33,32.29 308,17 ; 292.5,173 296.67,162.29 300.83,151.17 305,139.62 309.17,127.67 313.33,115.29 317.5,102.5 321.67,89.29 325.83,75.67 330,61.62 334.17,47.17 338.33,32.29 342.5,17 ; 123,173 116.33,162.29 109.67,151.17 103,139.62 96.33,127.67 89.67,115.29 83,102.5 76.33,89.29 69.67,75.67 63,61.62 56.33,47.17 49.67,32.29 43,17 ; 204.5,17 210.33,32.29 216.17,47.17 222,61.62 227.83,75.67 233.67,89.29 239.5,102.5 245.33,115.29 251.17,127.67 257,139.62 262.83,151.17 268.67,162.29 274.5,173 ; 112,17 113.67,32.29 115.33,47.17 117,61.62 118.67,75.67 120.33,89.29 122,102.5 123.67,115.29 125.33,127.67 127,139.62 128.67,151.17 130.33,162.29 132,173 ; 216,17 221,32.29 226,47.17 231,61.62 236,75.67 241,89.29 246,102.5 251,115.29 256,127.67 261,139.62 266,151.17 271,162.29 276,173 ; 139.5,173 142,162.29 144.5,151.17 147,139.62 149.5,127.67 152,115.29 154.5,102.5 157,89.29 159.5,75.67 162,61.62 164.5,47.17 167,32.29 169.5,17 ; 89,17 92.33,32.29 95.67,47.17 99,61.62 102.33,75.67 105.67,89.29 109,102.5 112.33,115.29 115.67,127.67 119,139.62 122.33,151.17 125.67,162.29 129,173 ; 331,17 327.67,32.29 324.33,47.17 321,61.62 317.67,75.67 314.33,89.29 311,102.5 307.67,115.29 304.33,127.67 301,139.62 297.67,151.17 294.33,162.29 291,173 ; 204,17 199,32.29 194,47.17 189,61.62 184,75.67 179,89.29 174,102.5 169,115.29 164,127.67 159,139.62 154,151.17 149,162.29 144,173 ; 262,17 263.67,32.29 265.33,47.17 267,61.62 268.67,75.67 270.33,89.29 272,102.5 273.67,115.29 275.33,127.67 277,139.62 278.67,151.17 280.33,162.29 282,173 ; 135,173 135,17 ; 138,173 139.67,162.29 141.33,151.17 143,139.62 144.67,127.67 146.33,115.29 148,102.5 149.67,89.29 151.33,75.67 153,61.62 154.67,47.17 156.33,32.29 158,17 ; 127.5,173 123.33,162.29 119.17,151.17 115,139.62 110.83,127.67 106.67,115.29 102.5,102.5 98.33,89.29 94.17,75.67 90,61.62 85.83,47.17 81.67,32.29 77.5,17 ; 295.5,173 301.33,162.29 307.17,151.17 313,139.62 318.83,127.67 324.67,115.29 330.5,102.5 336.33,89.29 342.17,75.67 348,61.62 353.83,47.17 359.67,32.29 365.5,17 ; 227.5,17 231.67,32.29 235.83,47.17 240,61.62 244.17,75.67 248.33,89.29 252.5,102.5 256.67,115.29 260.83,127.67 265,139.62 269.17,151.17 273.33,162.29 277.5,173 ; 296.5,17 295.67,32.29 294.83,47.17 294,61.62 293.17,75.67 292.33,89.29 291.5,102.5 290.67,115.29 289.83,127.67 289,139.62 288.17,151.17 287.33,162.29 286.5,173 ; 273,173 266.33,162.29 259.67,151.17 253,139.62 246.33,127.67 239.67,115.29 233,102.5 226.33,89.29 219.67,75.67 213,61.62 206.33,47.17 199.67,32.29 193,17 ; 215.5,17 209.67,32.29 203.83,47.17 198,61.62 192.17,75.67 186.33,89.29 180.5,102.5 174.67,115.29 168.83,127.67 163,139.62 157.17,151.17 151.33,162.29 145.5,173 ; 124.5,173 118.67,162.29 112.83,151.17 107,139.62 101.17,127.67 95.33,115.29 89.5,102.5 83.67,89.29 77.83,75.67 72,61.62 66.17,47.17 60.33,32.29 54.5,17
  Bottom w0.25: 30,25.35 390,25.35 ; 416.6,345 416.6,13 ; 25,344.8 395,344.8 ; 8.1,345 8.1,13 ; 25,347.8 395,347.8 ; 14.4,345 14.4,13 ; 25,344.2 395,344.2 ; 30,13.8 390,13.8 ; 25,348.4 395,348.4 ; 6,345 6,13 ; 25,346 395,346 ; 30,17.1 390,17.1 ; 30,22.05 390,22.05 ; 30,15.45 390,15.45 ; 25,345.4 395,345.4 ; 404,345 404,13 ; 25,349 395,349 ; 25,342.4 395,342.4 ; 30,23.7 390,23.7 ; 410.3,345 410.3,13 ; 414.5,345 414.5,13 ; 30,20.4 390,20.4 ; 406.1,345 406.1,13 ; 10.2,345 10.2,13 ; 25,343.6 395,343.6 ; 12.3,345 12.3,13 ; 408.2,345 408.2,13 ; 25,346.6 395,346.6 ; 18.6,345 18.6,13 ; 412.4,345 412.4,13 ; 25,343 395,343 ; 30,27 390,27 ; 30,18.75 390,18.75 ; 16.5,345 16.5,13 ; 25,347.2 395,347.2
  Bottom w0.3: 30,16.55 390,16.55 ; 408.9,345 408.9,13 ; 30,24.8 390,24.8 ; 30,18.2 390,18.2 ; 415.2,345 415.2,13 ; 404.7,345 404.7,13 ; 19.3,345 19.3,13 ; 406.8,345 406.8,13 ; 15.1,345 15.1,13 ; 6.7,345 6.7,13 ; 413.1,345 413.1,13 ; 30,23.15 390,23.15 ; 8.8,345 8.8,13 ; 13,345 13,13 ; 17.2,345 17.2,13 ; 411,345 411,13 ; 30,14.9 390,14.9 ; 30,26.45 390,26.45 ; 417.3,345 417.3,13 ; 30,19.85 390,19.85 ; 30,21.5 390,21.5 ; 10.9,345 10.9,13
  Bottom w0.35: 15.8,345 15.8,13 ; 409.6,345 409.6,13 ; 30,19.3 390,19.3 ; 415.9,345 415.9,13 ; 413.8,345 413.8,13 ; 13.7,345 13.7,13 ; 9.5,345 9.5,13 ; 407.5,345 407.5,13 ; 30,24.25 390,24.25 ; 30,14.35 390,14.35 ; 411.7,345 411.7,13 ; 30,25.9 390,25.9 ; 405.4,345 405.4,13 ; 17.9,345 17.9,13 ; 11.6,345 11.6,13 ; 30,16 390,16 ; 30,17.65 390,17.65 ; 30,20.95 390,20.95 ; 7.4,345 7.4,13 ; 30,22.6 390,22.6
  vias: v3(150,155) v3(151.5,155) v3(153,155) v3(154.5,155) v3(155,195) v3(156,155) v3(156.5,195) v3(157.5,155) v3(159,155) v3(159.5,195) v3(160.5,155) v3(161,195) v3(162,155) v3(162.5,195) v3(163.5,155) v3(164,195) v3(165,155) v3(165.5,195) v3(167,195) v3(168,155) v3(168.5,195) v3(170,195) v3(171,155) v3(171.5,195) v3(172.5,155) v3(173,195) v3(174,155) v3(174.5,195) v3(175.5,155) v3(176,195) v3(177,155) v3(177.5,195) v3(178.5,155) v3(180,155) v3(183,155) v3(184.5,155) v3(186,155) v3(187.5,155) v3(189,155) v3(192,155) v3(194,195) v3(194.8,195) v3(195,155) v3(195.6,195) v3(196.4,195) v3(196.5,155) v3(197.2,195) v3(198,195) v3(198.8,195) v3(199.6,195) v3(200.4,195) v3(201.2,195) v3(202,195) v3(202.8,195) v3(203.6,195) v3(204.4,195) v3(205.2,195) v3(206,195) v3(242.5,195) v3(244,195) v3(245.5,195) v3(247,195) v3(248.5,195) v3(250,195) v3(251.5,195) v3(253,195) v3(254.5,195) v3(256,195) v3(257.5,195) v3(259,195) v3(260.5,195) v3(263.5,195) v3(265,195)
